# Altium PCB Fastino-DIOT.PCBDOC (part 17 of 22)
Units mm, origin at the board's own origin, x right, y up, seen from the top; angles counter-clockwise.
Board outline 222.63 x 100.1 mm, 8 copper layers (L1, L2, L3, P4, L5, L6, P7, L8), stack 1.563 mm thick; 1030 components, 787 nets, 3312 pads, 2498 vias.
Unrouted connection lines stored in the file: 424.
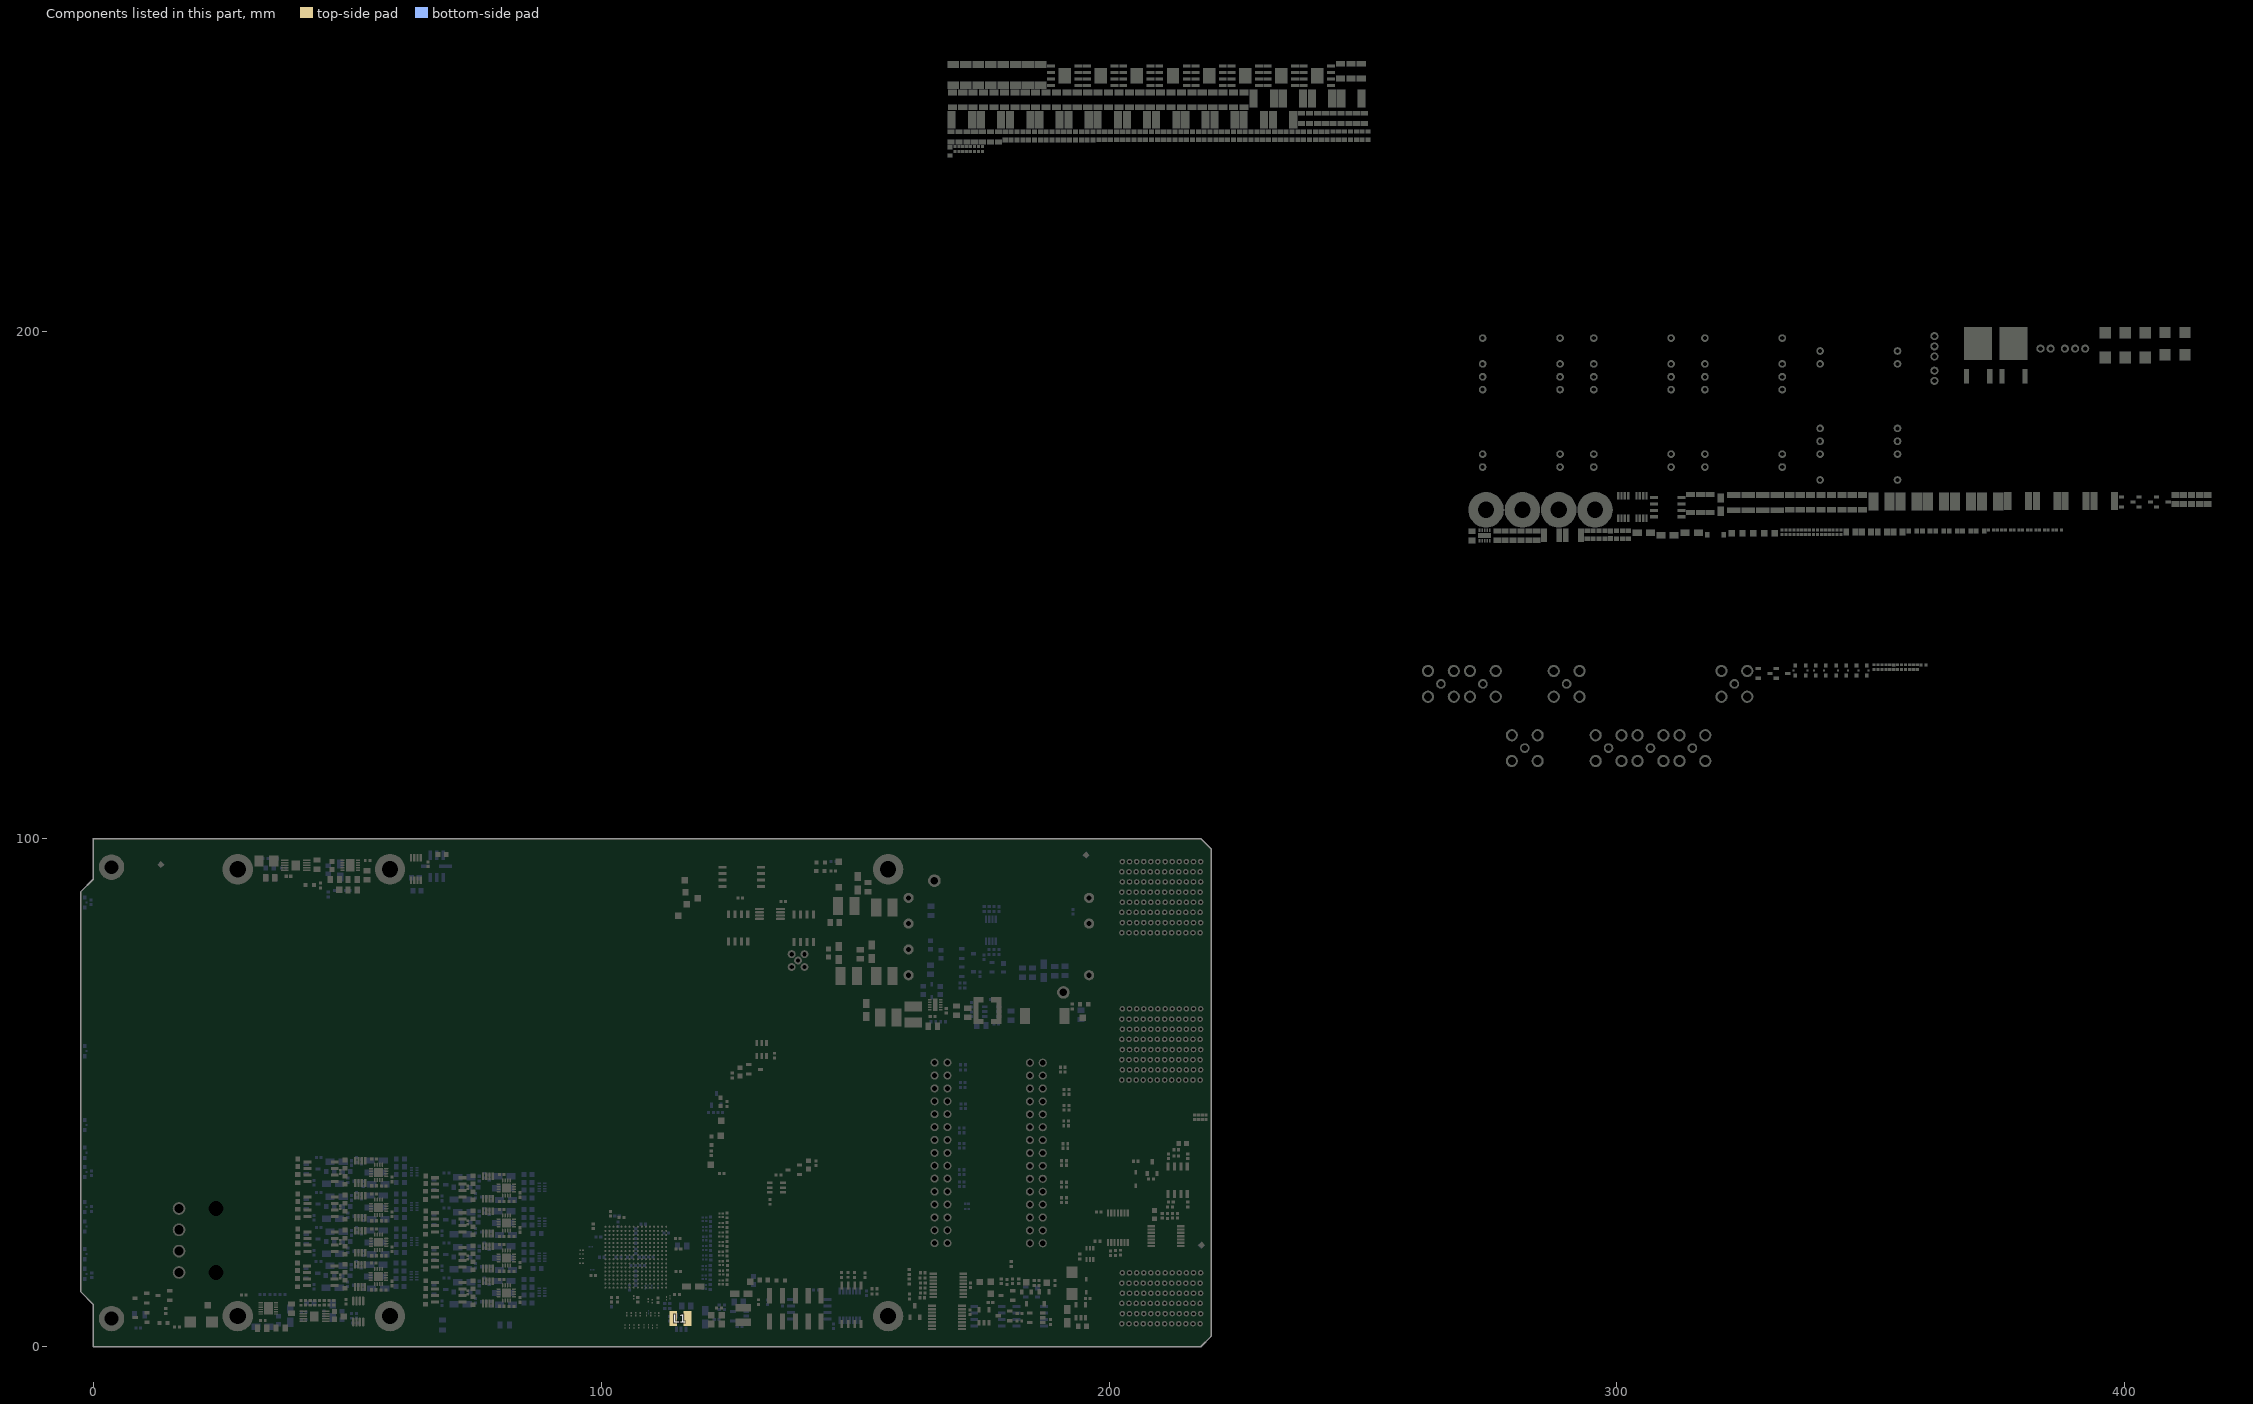
[diagram p23: the components of this part, seen from the top]

## Via types
v1: diameter 0.4, hole 0.2, L1 to L8, tented both sides, 1919 vias
v2: diameter 0.5, hole 0.2, L1 to L8, tented both sides, 270 vias
v3: diameter 0.4, hole 0.2, L1 to L8, 170 vias
v4: diameter 0.7, hole 0.4, L1 to L8, tented both sides, 110 vias
v5: diameter 0.7, hole 0.4, L1 to L8, 29 vias

## Nets (pads, with @x,y where several pads share a name; then routed paths per layer and width w, separated by ;. In a path a pad name is that pad's centre, name@x,y a point inside that pad or via, vN(x,y) a via of type N, cw(c..) or ccw(c..) an arc to the next point about the centre after c; other vN are vias at no path point) (continued)
copper on no net: (continued)
  L1 w0.254: v1(14.275,16.332) 14.291,16.316 15.584,16.316 15.6,16.3 ; v1(14.3,25.095) 14.303,25.098 15.598,25.098 15.6,25.1 ; v1(14.351,36.322) 14.362,36.311 15.589,36.311 15.6,36.3 ; v1(14.351,87.452) 14.391,87.452 14.42,87.482 15.582,87.482 15.6,87.5 ; v1(14.376,47.498) v1(14.376,47.498) 15.599,47.499 15.6,47.5 ; v1(14.402,76.302) 15.599,76.301 ; v1(14.427,85.065) 14.445,85.082 15.582,85.082 15.6,85.1 ; v1(14.478,56.261) 14.499,56.282 15.582,56.282 15.6,56.3 ; 15.6,33.9 15.608,33.892 16.857,33.892 v1(16.866,33.884) ; 15.6,42.7 15.611,42.711 16.727,42.711 v1(16.739,42.723) ; 15.6,45.1 16.323,45.1 16.84,45.617 v1(16.84,45.618) ; 15.6,53.9 16.299,53.9 16.485,53.714 16.485,53.604 v1(16.513,53.576) ; 15.6,58.7 16.341,58.7 16.723,58.318 v1(16.739,58.318) ; 15.6,62.7 15.606,62.706 16.808,62.706 v1(16.815,62.713) ; 15.6,65.1 16.325,65.1 v1(16.731,64.694) ; 15.6,67.5 15.606,67.494 16.834,67.494 v1(16.84,67.488) ; 15.6,73.9 15.618,73.918 16.678,73.918 16.724,73.965 v1(16.764,73.965) ; v1(16.891,25.451) 16.931,25.451 16.961,25.482 18.092,25.482 18.11,25.5 ; v1(16.942,56.718) 16.951,56.709 18.101,56.709 18.11,56.7 ; v1(16.942,76.683) 16.95,76.691 18.101,76.691 18.11,76.7 ; v1(16.967,83.109) 16.972,83.104 18.106,83.104 18.11,83.1 ; v1(16.967,87.859) 16.99,87.882 18.092,87.882 18.11,87.9 ; v1(16.993,47.6) 17.021,47.628 17.087,47.628 17.359,47.9 18.11,47.9 ; v1(16.993,85.471) 17.007,85.485 18.096,85.485 18.11,85.5 ; 18.11,16.7 18.128,16.718 19.309,16.718 v1(19.329,16.739) ; 18.11,34.3 18.128,34.318 19.231,34.318 v1(19.253,34.341) ; 18.11,36.7 18.128,36.718 19.28,36.718 19.315,36.754 v1(19.355,36.754) ; 18.11,45.5 18.835,45.5 19.273,45.062 19.403,45.062 v1(19.431,45.034) ; 18.11,54.3 18.113,54.303 19.301,54.303 v1(19.304,54.305) ; 18.11,65.5 18.861,65.5 19.119,65.758 19.251,65.758 v1(19.279,65.786) ; 18.11,67.9 18.126,67.884 19.314,67.884 v1(19.329,67.869) ; 18.11,74.3 18.12,74.31 19.268,74.31 v1(19.279,74.32) ; 20.619,92.55 20.944,92.55 21.392,92.102 21.392,86.85 22.23,86.012 22.23,85.946 ; 42.092,41.983 42.127,42.019 42.127,43.203 ; 42.118,48.916 42.153,48.952 42.153,50.135 ; 42.118,55.803 42.153,55.838 42.153,57.022 ; 42.118,62.689 42.153,62.725 42.153,63.796 42.153,63.908 ; 42.118,69.576 42.153,69.611 42.153,70.795 ; 42.118,76.462 42.153,76.498 42.153,77.682 ; 42.118,83.349 42.153,83.385 42.153,84.568 ; 42.197,40.716 42.197,41.986 ; 42.206,75.265 42.206,76.535 ; 42.223,47.649 42.223,48.919 ; 42.223,54.535 42.223,55.805 ; 42.223,61.422 42.223,62.692 ; 42.223,68.309 42.223,69.579 ; 42.223,82.082 42.223,83.352 ; v2(45.749,40.282) 46.402,39.629 46.465,39.566 47.024,39.566 47.07,39.52 ; v2(45.775,47.214) 46.428,46.562 46.491,46.498 47.05,46.498 47.096,46.452 ; v2(45.775,54.101) 46.428,53.448 46.491,53.385 47.05,53.385 47.096,53.339 ; v2(45.775,60.987) 46.428,60.335 46.491,60.271 47.05,60.271 47.096,60.225 ; v2(45.775,67.874) 46.428,67.221 46.491,67.158 47.05,67.158 47.096,67.112 ; v2(45.775,74.761) 46.428,74.108 46.491,74.045 47.05,74.045 47.096,73.999 ; v2(45.775,81.647) 46.428,80.995 46.491,80.931 47.05,80.931 47.096,80.885 ; 47.553,68.255 48.028,68.255 48.21,68.437 48.522,68.437 48.603,68.518 ; 47.553,69.525 48.028,69.525 48.252,69.301 48.505,69.301 48.603,69.203 48.603,69.178 ; 47.553,75.142 48.028,75.142 48.21,75.324 48.522,75.324 48.603,75.405 ; 47.553,76.412 48.028,76.412 48.252,76.188 48.505,76.188 48.603,76.09 48.603,76.065 ; 47.553,82.028 47.726,82.201 48.496,82.201 48.603,82.308 48.603,82.333 ; 47.553,83.298 47.726,83.125 48.496,83.125 48.603,83.018 48.603,82.993 ; 48.061,43.304 48.064,43.301 49.253,43.301 49.338,43.386 49.576,43.624 ; 48.087,50.237 48.09,50.233 49.279,50.233 49.364,50.319 49.602,50.556 ; 48.087,57.123 48.09,57.12 49.279,57.12 49.364,57.205 49.602,57.443 ; 48.087,64.01 48.09,64.006 49.279,64.006 49.364,64.092 49.602,64.329 ; 48.087,70.897 48.09,70.893 49.279,70.893 49.364,70.978 49.602,71.216 ; 48.087,77.783 48.09,77.78 49.279,77.78 49.364,77.865 49.602,78.103 ; 48.087,84.67 48.09,84.666 49.279,84.666 49.364,84.752 49.602,84.989 ; 49.576,38.849 49.626,38.849 50.614,39.837 50.798,39.837 51.54,40.579 v2@51.54,40.603 ; 49.576,40.449 49.576,41.721 49.635,41.78 ; 49.602,45.781 49.652,45.781 50.64,46.77 50.824,46.77 51.566,47.512 v2@51.566,47.535 ; 49.602,47.381 49.602,48.653 49.661,48.713 ; 49.602,52.668 49.652,52.668 50.64,53.656 50.824,53.656 51.566,54.398 v2@51.566,54.422 ; 49.602,54.268 49.602,55.54 49.661,55.599 ; 49.602,59.555 49.652,59.555 50.64,60.543 50.824,60.543 51.566,61.285 v2@51.566,61.309 ; 49.602,61.155 49.602,62.426 49.661,62.486 ; 49.602,66.441 49.652,66.441 50.64,67.43 50.824,67.43 51.566,68.172 v2@51.566,68.195 ; 49.602,68.041 49.602,69.313 49.661,69.373 ; 49.602,73.328 49.652,73.328 50.64,74.316 50.824,74.316 51.566,75.058 v2@51.566,75.082 ; 49.602,74.928 49.602,76.2 49.661,76.259 ; 49.602,80.214 49.652,80.214 50.64,81.203 50.824,81.203 51.566,81.945 v2@51.566,81.968 ; 49.602,81.814 49.602,83.086 49.661,83.146 ; v2(51.464,41.298) 51.531,41.298 51.712,41.116 51.724,41.116 51.893,40.946 52.379,40.946 53.41,39.915 53.41,39.204 53.508,39.106 ; v2(51.49,48.23) 51.557,48.23 51.739,48.048 51.75,48.048 51.92,47.879 52.405,47.879 53.436,46.847 53.436,46.136 53.534,46.038 ; v2(51.49,55.117) 51.557,55.117 51.739,54.935 51.75,54.935 51.92,54.765 52.405,54.765 53.436,53.734 53.436,53.023 53.534,52.925 ; v2(51.49,62.003) 51.557,62.003 51.739,61.822 51.75,61.822 51.92,61.652 52.405,61.652 53.436,60.62 53.436,59.909 53.534,59.811 ; v2(51.49,68.89) 51.557,68.89 51.739,68.708 51.75,68.708 51.92,68.538 52.405,68.538 53.436,67.507 53.436,66.796 53.534,66.698 ; v2(51.49,75.777) 51.557,75.777 51.739,75.595 51.75,75.595 51.92,75.425 52.405,75.425 53.436,74.394 53.436,73.683 53.534,73.585 ; v2(51.49,82.663) 51.557,82.663 51.739,82.481 51.75,82.481 51.92,82.312 52.405,82.312 53.436,81.28 53.436,80.569 53.534,80.471 ; v2(51.515,40.612) 51.581,40.612 51.59,40.603 51.988,40.205 52.442,40.205 52.76,39.888 52.76,39.671 52.861,39.57 ; 51.515,43.152 51.575,43.092 51.575,42.508 v1(51.591,42.491) ; v2(51.541,47.544) 51.608,47.544 51.617,47.535 52.014,47.138 52.469,47.138 52.786,46.82 52.786,46.604 52.887,46.503 ; 51.541,50.084 51.601,50.025 51.601,49.44 v1(51.617,49.424) ; v2(51.541,54.431) 51.608,54.431 51.617,54.422 52.014,54.025 52.469,54.025 52.786,53.707 52.786,53.491 52.887,53.39 ; 51.541,56.971 51.601,56.911 51.601,56.327 v1(51.617,56.311) ; v2(51.541,61.318) 51.608,61.318 51.617,61.309 52.014,60.911 52.469,60.911 52.786,60.594 52.786,60.377 52.887,60.276 ; 51.541,63.858 51.601,63.798 51.601,63.214 v1(51.617,63.197) ; v2(51.541,68.204) 51.608,68.204 51.617,68.195 52.014,67.798 52.469,67.798 52.786,67.48 52.786,67.264 52.887,67.163 ; 51.541,70.744 51.601,70.684 51.601,70.1 v1(51.617,70.084) ; v2(51.541,75.091) 51.608,75.091 51.617,75.082 52.014,74.684 52.469,74.684 52.786,74.367 52.786,74.15 52.887,74.049 ; 51.541,77.631 51.601,77.571 51.601,76.987 v1(51.617,76.97) ; v2(51.541,81.977) 51.608,81.977 51.617,81.968 52.014,81.571 52.469,81.571 52.786,81.253 52.786,81.037 52.887,80.936 ; 51.541,84.517 51.601,84.458 51.601,83.873 v1(51.617,83.857) ; 51.566,39.113 51.573,39.106 52.208,39.106 ; 51.592,46.046 51.599,46.038 52.234,46.038 ; 51.592,52.932 51.599,52.925 52.234,52.925 ; 51.592,59.819 51.599,59.811 52.234,59.811 ; 51.592,66.706 51.599,66.698 52.234,66.698 ; 51.592,73.592 51.599,73.585 52.234,73.585 ; 51.592,80.479 51.599,80.471 52.234,80.471 ; 51.81,8.989 51.81,7.759 51.841,7.728 v1@51.841,7.689 ; v1(53.039,41.323) 53.054,41.308 53.62,41.308 53.96,40.967 54.487,40.967 ; v1(53.065,48.256) 53.08,48.24 53.646,48.24 53.986,47.9 54.513,47.9 ; v1(53.065,55.142) 53.08,55.127 53.646,55.127 53.986,54.787 54.513,54.787 ; v1(53.065,62.029) 53.08,62.014 53.646,62.014 53.986,61.673 54.513,61.673 ; v1(53.065,68.915) 53.08,68.9 53.646,68.9 53.986,68.56 54.513,68.56 ; v1(53.065,75.802) 53.08,75.787 53.646,75.787 53.986,75.446 54.513,75.446 ; v1(53.065,82.689) 53.08,82.673 53.646,82.673 53.986,82.333 54.513,82.333 ; v1(53.471,42.136) 54.153,41.453 54.661,41.453 54.665,41.45 ; v1(53.497,49.068) 54.179,48.386 54.687,48.386 54.691,48.383 ; v1(53.497,55.955) 54.179,55.273 54.687,55.273 54.691,55.269 ; v1(53.497,62.842) 54.179,62.159 54.687,62.159 54.691,62.156 ; v1(53.497,69.728) 54.179,69.046 54.687,69.046 54.691,69.042 ; v1(53.497,76.615) 54.179,75.932 54.687,75.932 54.691,75.929 ; v1(53.497,83.501) 54.179,82.819 54.687,82.819 54.691,82.816 ; 55.909,39.695 55.909,40.645 56.159,40.895 ; 55.935,46.627 55.935,47.577 56.185,47.827 ; 55.935,53.514 55.935,54.464 56.185,54.714 ; 55.935,60.4 55.935,61.35 56.185,61.6 ; 55.935,67.287 55.935,68.237 56.185,68.487 ; 55.935,74.174 55.935,75.124 56.185,75.374 ; 55.935,81.06 55.935,82.01 56.185,82.26 ; 56.159,41.195 56.159,40.895 ; 56.185,48.127 56.185,47.827 ; 56.185,55.014 56.185,54.714 ; 56.185,61.9 56.185,61.6 ; 56.185,68.787 56.185,68.487 ; 56.185,75.674 56.185,75.374 ; 56.185,82.56 56.185,82.26 ; 56.409,39.695 56.409,40.447 56.161,40.695 56.159,40.695 56.159,40.895 ; 56.435,46.627 56.435,47.379 56.187,47.627 56.185,47.627 56.185,47.827 ; 56.435,53.514 56.435,54.266 56.187,54.514 56.185,54.514 56.185,54.714 ; 56.435,60.4 56.435,61.152 56.187,61.4 56.185,61.4 56.185,61.6 ; 56.435,67.287 56.435,68.039 56.187,68.287 56.185,68.287 56.185,68.487 ; 56.435,74.174 56.435,74.926 56.187,75.174 56.185,75.174 56.185,75.374 ; 56.435,81.06 56.435,81.812 56.187,82.06 56.185,82.06 56.185,82.26 ; 56.935,67.287 56.935,67.235 56.951,67.219 ; 56.935,74.174 56.935,74.121 56.951,74.105 ; 56.935,81.06 56.935,81.008 56.951,80.992 ; 56.951,67.341 56.951,67.219 ; 56.951,74.227 56.951,74.105 ; 56.951,81.114 56.951,80.992 ; v1(57.383,67.645) 58.644,67.645 ; v1(57.383,74.532) 58.644,74.532 ; v1(57.383,81.419) 58.644,81.419 ; 57.685,68.037 57.694,68.028 58.778,68.028 ; 57.685,74.924 57.694,74.915 58.778,74.915 ; 57.685,81.81 57.694,81.801 58.778,81.801 ; v1(58.695,45.705) 58.723,45.733 58.723,46.217 58.729,46.224 ; v1(58.695,52.592) 58.723,52.62 58.723,53.104 58.729,53.11 ; v1(58.695,59.478) 58.723,59.506 58.723,59.99 58.729,59.997 ; v1(58.695,66.365) 58.723,66.393 58.723,66.877 58.729,66.883 ; v1(58.695,73.251) 58.723,73.279 58.723,73.764 58.729,73.77 ; v1(58.695,80.138) 58.723,80.166 58.723,80.65 58.729,80.657 ; 58.703,39.291 58.697,39.285 58.697,38.975 58.832,38.84 v1(58.832,38.827) ; 58.882,67.925 58.882,67.883 58.847,67.849 58.644,67.645 ; 58.882,74.811 58.882,74.77 58.847,74.736 58.644,74.532 ; 58.882,81.698 58.882,81.656 58.847,81.622 58.644,81.419 ; 67.243,38.911 67.278,38.946 67.278,40.13 ; 67.243,45.797 67.278,45.833 67.278,47.016 ; 67.243,52.684 67.278,52.719 67.278,53.791 67.278,53.903 ; 67.243,59.57 67.278,59.606 67.278,60.79 ; 67.243,66.457 67.278,66.493 67.278,67.676 ; 67.242,73.326 67.278,73.362 67.278,74.545 ; 67.242,80.213 67.278,80.248 67.278,81.432 ; 67.278,51.362 67.278,52.632 ; 67.278,85.779 67.278,87.049 ; 67.278,87.135 67.278,88.319 ; 67.312,72.11 67.312,73.38 ; 67.329,79.013 67.329,80.283 ; 67.348,37.643 67.348,38.913 ; 67.348,44.53 67.348,45.8 ; 67.348,58.303 67.348,59.573 ; 67.348,65.31 67.348,66.58 ; v2(70.9,37.209) 71.553,36.556 71.616,36.493 72.175,36.493 72.221,36.447 ; v2(70.9,44.095) 71.553,43.443 71.616,43.379 72.175,43.379 72.221,43.333 ; v2(70.9,50.982) 71.553,50.33 71.616,50.266 72.175,50.266 72.221,50.22 ; v2(70.9,57.869) 71.553,57.216 71.616,57.153 72.175,57.153 72.221,57.107 ; v2(70.9,64.755) 71.553,64.103 71.616,64.039 72.175,64.039 72.221,63.993 ; v2(70.9,71.624) 71.553,70.972 71.616,70.908 72.175,70.908 72.221,70.862 ; v2(70.9,78.511) 71.553,77.859 71.616,77.795 72.175,77.795 72.221,77.749 ; v2(70.9,85.398) 71.553,84.745 71.616,84.682 72.175,84.682 72.221,84.636 ; 72.678,65.136 72.85,65.308 73.714,65.308 73.812,65.406 73.812,65.431 ; 72.678,66.406 72.851,66.233 73.622,66.233 73.641,66.214 73.714,66.214 73.812,66.116 73.812,66.091 ; 72.678,73.275 73.153,73.275 73.335,73.093 73.759,73.093 73.857,72.995 73.857,72.97 ; 72.678,78.892 72.851,79.065 73.621,79.065 73.728,79.172 73.728,79.197 ; 73.212,40.231 73.215,40.228 74.404,40.228 74.489,40.313 74.727,40.551 ; 73.212,47.118 73.215,47.115 74.404,47.115 74.489,47.2 74.727,47.438 ; 73.212,54.005 73.215,54.001 74.404,54.001 74.489,54.086 74.727,54.324 ; 73.212,60.891 73.215,60.888 74.404,60.888 74.489,60.973 74.727,61.211 ; 73.212,67.778 73.215,67.774 74.404,67.774 74.489,67.86 74.727,68.097 ; 73.211,74.647 73.215,74.644 74.404,74.644 74.489,74.729 74.727,74.967 ; 73.211,81.534 73.215,81.53 74.404,81.53 74.489,81.615 74.727,81.853 ; 73.215,88.417 73.215,88.303 73.326,88.192 74.129,88.192 74.439,88.502 74.489,88.502 74.727,88.74 ; 74.727,35.776 74.777,35.776 75.765,36.764 75.949,36.764 76.691,37.507 v2@76.691,37.53 ; 74.727,37.376 74.727,38.648 74.786,38.707 ; 74.727,42.663 74.777,42.663 75.765,43.651 75.949,43.651 76.691,44.393 v2@76.691,44.417 ; 74.727,44.263 74.727,45.534 74.786,45.594 ; 74.727,49.549 74.777,49.549 75.765,50.538 75.949,50.538 76.691,51.28 v2@76.691,51.303 ; 74.727,51.149 74.727,52.421 74.786,52.481 ; 74.727,56.436 74.777,56.436 75.765,57.424 75.949,57.424 76.691,58.166 v2@76.691,58.19 ; 74.727,58.036 74.727,59.308 74.786,59.367 ; 74.727,63.323 74.777,63.323 75.765,64.311 75.949,64.311 76.691,65.053 v2@76.691,65.076 ; 74.727,64.923 74.727,66.194 74.786,66.254 ; 74.727,70.192 74.777,70.192 75.765,71.18 75.949,71.18 76.691,71.922 v2@76.691,71.946 ; 74.727,71.792 74.727,73.063 74.786,73.123 ; 74.727,77.078 74.777,77.078 75.765,78.067 75.949,78.067 76.691,78.809 v2@76.691,78.832 ; 74.727,78.678 74.727,79.95 74.786,80.01 ; 74.727,83.965 74.777,83.965 75.765,84.953 75.949,84.953 76.691,85.695 v2@76.691,85.719 ; 74.727,85.565 74.727,86.837 74.786,86.896 ; v2(76.615,38.225) 76.682,38.225 76.864,38.043 76.875,38.043 77.045,37.873 77.53,37.873 78.561,36.842 78.561,36.131 78.659,36.033 ; v2(76.615,45.111) 76.682,45.111 76.864,44.93 76.875,44.93 77.045,44.76 77.53,44.76 78.561,43.729 78.561,43.018 78.659,42.92 ; v2(76.615,51.998) 76.682,51.998 76.864,51.816 76.875,51.816 77.045,51.646 77.53,51.646 78.561,50.615 78.561,49.904 78.659,49.806 ; v2(76.615,58.885) 76.682,58.885 76.864,58.703 76.875,58.703 77.045,58.533 77.53,58.533 78.561,57.502 78.561,56.791 78.659,56.693 ; v2(76.615,65.771) 76.682,65.771 76.864,65.589 76.875,65.589 77.045,65.42 77.53,65.42 78.561,64.388 78.561,63.677 78.659,63.579 ; v2(76.615,72.64) 76.682,72.64 76.863,72.459 76.875,72.459 77.044,72.289 77.53,72.289 78.561,71.257 78.561,70.547 78.659,70.449 ; v2(76.615,79.527) 76.682,79.527 76.863,79.345 76.875,79.345 77.044,79.175 77.53,79.175 78.561,78.144 78.561,77.433 78.659,77.335 ; v2(76.615,86.414) 76.682,86.414 76.863,86.232 76.875,86.232 77.044,86.062 77.53,86.062 78.561,85.031 78.561,84.32 78.659,84.222 ; v2(76.666,37.539) 76.733,37.539 76.742,37.53 77.139,37.133 77.594,37.133 77.911,36.815 77.911,36.599 78.012,36.498 ; 76.666,40.079 76.726,40.019 76.726,39.435 v1(76.742,39.419) ; v2(76.666,44.426) 76.733,44.426 76.742,44.417 77.139,44.019 77.594,44.019 77.911,43.702 77.911,43.485 78.012,43.384 ; 76.666,46.966 76.726,46.906 76.726,46.322 v1(76.742,46.305) ; v2(76.666,51.312) 76.733,51.312 76.742,51.303 77.139,50.906 77.594,50.906 77.911,50.588 77.911,50.372 78.012,50.271 ; 76.666,53.852 76.726,53.793 76.726,53.208 v1(76.742,53.192) ; v2(76.666,58.199) 76.733,58.199 76.742,58.19 77.139,57.793 77.594,57.793 77.911,57.475 77.911,57.258 78.012,57.157 ; 76.666,60.739 76.726,60.679 76.726,60.095 v1(76.742,60.078) ; v2(76.666,65.085) 76.733,65.085 76.742,65.076 77.139,64.679 77.594,64.679 77.911,64.362 77.911,64.145 78.012,64.044 ; 76.666,67.625 76.726,67.566 76.726,66.982 v1(76.742,66.965) ; v2(76.666,71.955) 76.732,71.955 76.741,71.946 77.139,71.548 77.593,71.548 77.911,71.231 77.911,71.014 78.012,70.913 ; 76.666,74.495 76.726,74.435 76.726,73.851 v1(76.742,73.834) ; v2(76.666,78.841) 76.732,78.841 76.741,78.832 77.139,78.435 77.593,78.435 77.911,78.117 77.911,77.901 78.012,77.8 ; 76.666,81.381 76.726,81.322 76.726,80.737 v1(76.742,80.721) ; v2(76.666,85.728) 76.732,85.728 76.741,85.719 77.139,85.322 77.593,85.322 77.911,85.004 77.911,84.787 78.012,84.686 ; 76.666,88.268 76.726,88.208 76.726,87.624 v1(76.742,87.607) ; 76.717,36.04 76.724,36.033 77.359,36.033 ; 76.717,42.927 76.724,42.92 77.359,42.92 ; 76.717,49.814 76.724,49.806 77.359,49.806 ; 76.717,56.7 76.724,56.693 77.359,56.693 ; 76.717,63.587 76.724,63.579 77.359,63.579 ; 76.717,70.456 76.724,70.449 77.359,70.449 ; 76.717,77.343 76.724,77.335 77.359,77.335 ; 76.717,84.229 76.724,84.222 77.359,84.222 ; v1(78.19,38.25) 78.205,38.235 78.771,38.235 79.111,37.895 79.638,37.895 ; v1(78.19,45.137) 78.205,45.122 78.771,45.122 79.111,44.781 79.638,44.781 ; v1(78.19,52.023) 78.205,52.008 78.771,52.008 79.111,51.668 79.638,51.668 ; v1(78.19,58.91) 78.205,58.895 78.771,58.895 79.111,58.554 79.638,58.554 ; v1(78.19,65.797) 78.205,65.781 78.771,65.781 79.111,65.441 79.638,65.441 ; v1(78.19,72.666) 78.205,72.651 78.771,72.651 79.111,72.31 79.638,72.31 ; v1(78.19,79.552) 78.205,79.537 78.771,79.537 79.111,79.197 79.638,79.197 ; v1(78.19,86.439) 78.205,86.424 78.771,86.424 79.111,86.083 79.638,86.083 ; v1(78.622,39.063) 79.304,38.381 79.812,38.381 79.816,38.377 ; v1(78.622,45.95) 79.304,45.267 79.812,45.267 79.816,45.264 ; v1(78.622,52.836) 79.304,52.154 79.812,52.154 79.816,52.15 ; v1(78.622,59.723) 79.304,59.04 79.812,59.04 79.816,59.037 ; v1(78.622,66.609) 79.304,65.927 79.812,65.927 79.816,65.924 ; v1(78.622,73.479) 79.304,72.796 79.812,72.796 79.815,72.793 ; v1(78.622,80.365) 79.304,79.683 79.812,79.683 79.815,79.679 ; v1(78.622,87.252) 79.304,86.569 79.812,86.569 79.815,86.566 ; 81.06,36.622 81.06,37.572 81.31,37.822 ; 81.06,43.508 81.06,44.458 81.31,44.708 ; 81.06,50.395 81.06,51.345 81.31,51.595 ; 81.06,57.282 81.06,58.232 81.31,58.482 ; 81.06,64.168 81.06,65.118 81.31,65.368 ; 81.06,71.037 81.06,71.987 81.31,72.237 ; 81.06,77.924 81.06,78.874 81.31,79.124 ; 81.06,84.811 81.06,85.761 81.31,86.011 ; 81.31,38.122 81.31,37.822 ; 81.31,45.008 81.31,44.708 ; 81.31,51.895 81.31,51.595 ; 81.31,58.782 81.31,58.482 ; 81.31,65.668 81.31,65.368 ; 81.31,72.537 81.31,72.237 ; 81.31,79.424 81.31,79.124 ; 81.31,86.311 81.31,86.011 ; 81.56,36.622 81.56,37.374 81.312,37.622 81.31,37.622 81.31,37.822 ; 81.56,43.508 81.56,44.26 81.312,44.508 81.31,44.508 81.31,44.708 ; 81.56,50.395 81.56,51.147 81.312,51.395 81.31,51.395 81.31,51.595 ; 81.56,57.282 81.56,58.034 81.312,58.282 81.31,58.282 81.31,58.482 ; 81.56,64.168 81.56,64.92 81.312,65.168 81.31,65.168 81.31,65.368 ; 81.56,71.037 81.56,71.789 81.312,72.037 81.31,72.037 81.31,72.237 ; 81.56,77.924 81.56,78.676 81.312,78.924 81.31,78.924 81.31,79.124 ; 81.56,84.811 81.56,85.563 81.312,85.811 81.31,85.811 81.31,86.011 ; 82.06,36.622 82.06,36.57 82.076,36.554 ; 82.06,43.508 82.06,43.456 82.076,43.44 ; 82.06,50.395 82.06,50.343 82.081,50.322 83.258,50.322 83.557,50.621 83.636,50.621 83.769,50.753 v1(82.508,50.753) ; 82.06,57.282 82.06,57.229 82.076,57.213 ; 82.06,64.168 82.06,64.116 82.076,64.1 ; 82.06,71.037 82.06,70.985 82.076,70.969 ; 82.06,77.924 82.06,77.872 82.076,77.856 ; 82.06,84.811 82.06,84.758 82.076,84.742 ; 82.076,36.675 82.076,36.554 ; 82.076,43.562 82.076,43.44 ; 82.076,57.335 82.076,57.213 ; 82.076,64.222 82.076,64.1 ; 82.076,71.091 82.076,70.969 ; 82.076,77.978 82.076,77.856 ; 82.076,84.864 82.076,84.742 ; v1(82.508,36.98) 83.769,36.98 ; v1(82.508,43.867) 83.769,43.867 ; v1(82.508,57.64) 83.769,57.64 ; v1(82.508,64.527) 83.769,64.527 ; v1(82.508,71.396) 83.769,71.396 ; v1(82.508,78.282) 83.769,78.282 ; v1(82.508,85.169) 83.769,85.169 ; 82.81,37.372 82.819,37.363 83.903,37.363 ; 82.81,44.258 82.819,44.25 83.903,44.25 ; 82.81,51.145 82.819,51.136 83.903,51.136 ; 82.81,58.032 82.819,58.023 83.903,58.023 ; 82.81,64.918 82.819,64.909 83.903,64.909 ; 82.81,71.787 82.819,71.779 83.903,71.779 ; 82.81,78.674 82.819,78.665 83.903,78.665 ; 82.81,85.561 82.819,85.552 83.903,85.552 ; 83.597,93.98 v1(84.297,93.98) ; v1(83.82,35.7) 83.848,35.728 83.848,36.212 83.854,36.218 ; v1(83.82,42.586) 83.848,42.614 83.848,43.099 83.854,43.105 ; v1(83.82,49.473) 83.848,49.501 83.848,49.985 83.854,49.991 ; v1(83.82,56.36) 83.848,56.387 83.848,56.872 83.854,56.878 ; v1(83.82,63.246) 83.848,63.274 83.848,63.758 83.854,63.765 ; v1(83.82,70.115) 83.848,70.143 83.848,70.628 83.854,70.634 ; v1(83.82,77.002) 83.848,77.03 83.848,77.514 83.854,77.52 ; v1(83.82,83.906) 83.848,83.934 83.848,84.401 83.854,84.407 ; 84.007,37.26 84.007,37.218 83.972,37.184 83.769,36.98 ; 84.007,44.146 84.007,44.105 83.972,44.071 83.769,43.867 ; 84.007,57.919 84.007,57.878 83.972,57.844 83.769,57.64 ; 84.007,64.806 84.007,64.765 83.972,64.73 83.769,64.527 ; 84.006,71.675 84.006,71.634 83.972,71.6 83.769,71.396 ; 84.006,78.562 84.006,78.52 83.972,78.486 83.769,78.282 ; 84.006,85.448 84.006,85.407 83.972,85.373 83.769,85.169 ; v1(85.758,93.269) 85.758,93.767 ; 85.758,95.717 85.781,95.74 87.039,95.74 87.108,95.809 v1(87.147,95.809) ; v1(88.608,95.167) 88.648,95.167 88.747,95.067 89.908,95.067 ; 91.428,96.387 91.512,96.303 92.022,96.303 v1(92.05,96.275) ; 93.118,33.55 93.153,33.586 93.153,34.658 ; 93.118,40.437 93.153,40.473 93.153,41.656 ; 93.118,47.324 93.153,47.359 93.153,48.543 ; 93.118,54.21 93.153,54.246 93.153,55.429 ; 93.118,61.097 93.153,61.132 93.153,62.316 ; 93.118,67.983 93.153,68.019 93.153,69.203 ; 93.118,74.87 93.153,74.906 93.153,76.089 ; 93.118,81.757 93.153,81.792 93.153,82.976 ; 93.118,88.643 93.153,88.679 93.153,89.862 ; 93.187,59.88 93.187,61.15 ; 93.187,87.427 93.187,88.697 ; 93.223,32.37 93.223,33.64 ; 93.223,39.17 93.223,40.44 ; 93.223,46.056 93.223,47.326 ; 93.223,53.029 93.223,54.299 ; 93.223,66.716 93.223,67.986 ; 93.223,73.603 93.223,74.873 ; 93.223,80.489 93.223,81.759 ; 94.145,93.904 95.023,93.904 95.056,93.937 95.631,93.937 ; v1(96.19,93.269) 100.597,93.269 101.01,93.682 101.01,94.192 100.788,94.414 100.054,94.414 100.031,94.437 ; v2(96.775,31.849) 97.428,31.196 97.491,31.133 98.05,31.133 98.096,31.087 ; v2(96.775,38.735) 97.428,38.083 97.491,38.019 98.05,38.019 98.096,37.973 ; v2(96.775,45.622) 97.428,44.969 97.491,44.906 98.05,44.906 98.096,44.86 ; v2(96.775,52.508) 97.428,51.856 97.491,51.792 98.05,51.792 98.096,51.746 ; v2(96.775,59.395) 97.428,58.742 97.491,58.679 98.05,58.679 98.096,58.633 ; v2(96.775,66.282) 97.428,65.629 97.491,65.566 98.05,65.566 98.096,65.52 ; v2(96.775,73.168) 97.428,72.516 97.491,72.452 98.05,72.452 98.096,72.406 ; v2(96.775,80.055) 97.428,79.402 97.491,79.339 98.05,79.339 98.096,79.293 ; v2(96.775,86.941) 97.428,86.289 97.491,86.225 98.05,86.225 98.096,86.179 ; 98.553,61.046 98.726,60.873 99.531,60.873 99.68,60.724 99.68,60.699 ; 98.553,67.933 99.028,67.933 99.257,67.704 99.45,67.704 99.548,67.606 99.548,67.581 ; 98.553,74.819 98.726,74.646 98.752,74.672 99.597,74.672 99.695,74.574 99.695,74.549 ; 98.553,88.592 99.028,88.592 99.257,88.364 99.449,88.364 99.547,88.266 99.547,88.241 ; 99.087,34.871 99.09,34.868 100.279,34.868 100.364,34.953 100.602,35.191 ; 99.087,41.758 99.09,41.754 100.279,41.754 100.364,41.84 100.602,42.077 ; 99.087,48.644 99.09,48.641 100.279,48.641 100.364,48.726 100.602,48.964 ; 99.087,55.531 99.09,55.528 100.279,55.528 100.364,55.613 100.602,55.851 ; 99.087,62.418 99.09,62.414 100.279,62.414 100.364,62.499 100.602,62.737 ; 99.087,69.304 99.09,69.301 100.279,69.301 100.364,69.386 100.602,69.624 ; 99.087,76.191 99.09,76.187 100.279,76.187 100.364,76.273 100.602,76.51 ; 99.087,83.077 99.09,83.074 100.279,83.074 100.364,83.159 100.602,83.397 ; 99.087,89.964 99.09,89.96 100.279,89.96 100.364,90.046 100.602,90.283 ; 100.602,30.416 100.652,30.416 101.64,31.404 101.824,31.404 102.566,32.146 v2@102.566,32.17 ; 100.602,32.016 100.602,33.288 100.661,33.347 ; 100.602,37.303 100.652,37.303 101.64,38.291 101.824,38.291 102.566,39.033 v2@102.566,39.056 ; 100.602,38.903 100.602,40.174 100.661,40.234 ; 100.602,44.189 100.652,44.189 101.64,45.177 101.824,45.177 102.566,45.92 v2@102.566,45.943 ; 100.602,45.789 100.602,47.061 100.661,47.12 ; 100.602,51.076 100.652,51.076 101.64,52.064 101.824,52.064 102.566,52.806 v2@102.566,52.83 ; 100.602,52.676 100.602,53.947 100.661,54.007 ; 100.602,57.962 100.652,57.962 101.64,58.951 101.824,58.951 102.566,59.693 v2@102.566,59.716 ; 100.602,59.562 100.602,60.834 100.661,60.894 ; 100.602,64.849 100.652,64.849 101.64,65.837 101.824,65.837 102.566,66.579 v2@102.566,66.603 ; 100.602,66.449 100.602,67.721 100.661,67.78 ; 100.602,71.735 100.652,71.735 101.64,72.724 101.824,72.724 102.566,73.466 v2@102.566,73.489 ; 100.602,73.335 100.602,74.607 100.661,74.667 ; 100.602,78.622 100.652,78.622 101.64,79.61 101.824,79.61 102.566,80.353 v2@102.566,80.376 ; 100.602,80.222 100.602,81.494 100.661,81.553 ; 100.602,85.509 100.652,85.509 101.64,86.497 101.824,86.497 102.566,87.239 v2@102.566,87.263 ; 100.602,87.109 100.602,88.38 100.661,88.44 ; v2(102.49,32.865) 102.557,32.865 102.739,32.683 102.75,32.683 102.92,32.513 103.405,32.513 104.436,31.482 104.436,30.771 104.534,30.673 ; v2(102.49,39.751) 102.557,39.751 102.739,39.569 102.75,39.569 102.92,39.4 103.405,39.4 104.436,38.368 104.436,37.657 104.534,37.559 ; v2(102.49,46.638) 102.557,46.638 102.739,46.456 102.75,46.456 102.92,46.286 103.405,46.286 104.436,45.255 104.436,44.544 104.534,44.446 ; v2(102.49,53.524) 102.557,53.524 102.739,53.343 102.75,53.343 102.92,53.173 103.405,53.173 104.436,52.141 104.436,51.431 104.534,51.333 ; v2(102.49,60.411) 102.557,60.411 102.739,60.229 102.75,60.229 102.92,60.059 103.405,60.059 104.436,59.028 104.436,58.317 104.534,58.219 ; v2(102.49,67.298) 102.557,67.298 102.739,67.116 102.75,67.116 102.92,66.946 103.405,66.946 104.436,65.915 104.436,65.204 104.534,65.106 ; v2(102.49,74.184) 102.557,74.184 102.739,74.002 102.75,74.002 102.92,73.833 103.405,73.833 104.436,72.801 104.436,72.09 104.534,71.992 ; v2(102.49,81.071) 102.557,81.071 102.739,80.889 102.75,80.889 102.92,80.719 103.405,80.719 104.436,79.688 104.436,78.977 104.534,78.879 ; v2(102.49,87.957) 102.557,87.957 102.739,87.776 102.75,87.776 102.92,87.606 103.405,87.606 104.436,86.574 104.436,85.863 104.534,85.765 ; v2(102.541,32.179) 102.608,32.179 102.617,32.17 103.014,31.773 103.469,31.773 103.786,31.455 103.786,31.238 103.887,31.137 ; 102.541,34.719 102.601,34.659 102.601,34.075 v1(102.617,34.058) ; v2(102.541,39.065) 102.608,39.065 102.617,39.056 103.014,38.659 103.469,38.659 103.786,38.342 103.786,38.125 103.887,38.024 ; 102.541,41.605 102.601,41.546 102.601,40.962 v1(102.617,40.945) ; v2(102.541,45.952) 102.608,45.952 102.617,45.943 103.014,45.546 103.469,45.546 103.786,45.228 103.786,45.012 103.887,44.911 ; 102.541,48.492 102.601,48.432 102.601,47.848 v1(102.617,47.832) ; v2(102.541,52.839) 102.608,52.839 102.617,52.83 103.014,52.432 103.469,52.432 103.786,52.115 103.786,51.898 103.887,51.797 ; 102.541,55.379 102.601,55.319 102.601,54.735 v1(102.617,54.718) ; v2(102.541,59.725) 102.608,59.725 102.617,59.716 103.014,59.319 103.469,59.319 103.786,59.001 103.786,58.785 103.887,58.684 ; 102.541,62.265 102.601,62.206 102.601,61.621 v1(102.617,61.605) ; v2(102.541,66.612) 102.608,66.612 102.617,66.603 103.014,66.205 103.469,66.205 103.786,65.888 103.786,65.671 103.887,65.57 ; 102.541,69.152 102.601,69.092 102.601,68.508 v1(102.617,68.491) ; v2(102.541,73.498) 102.608,73.498 102.617,73.489 103.014,73.092 103.469,73.092 103.786,72.775 103.786,72.558 103.887,72.457 ; 102.541,76.038 102.601,75.979 102.601,75.394 v1(102.617,75.378) ; v2(102.541,80.385) 102.608,80.385 102.617,80.376 103.014,79.979 103.469,79.979 103.786,79.661 103.786,79.445 103.887,79.344 ; 102.541,82.925 102.601,82.865 102.601,82.281 v1(102.617,82.265) ; v2(102.541,87.272) 102.608,87.272 102.617,87.263 103.014,86.865 103.469,86.865 103.786,86.548 103.786,86.331 103.887,86.23 ; 102.541,89.812 102.601,89.752 102.601,89.168 v1(102.617,89.151) ; 102.592,30.68 102.599,30.673 103.234,30.673 ; 102.592,37.567 102.599,37.559 103.234,37.559 ; 102.592,44.453 102.599,44.446 103.234,44.446 ; 102.592,51.34 102.599,51.333 103.234,51.333 ; 102.592,58.227 102.599,58.219 103.234,58.219 ; 102.592,65.113 102.599,65.106 103.234,65.106 ; 102.592,72 102.599,71.992 103.234,71.992 ; 102.592,78.886 102.599,78.879 103.234,78.879 ; 102.592,85.773 102.599,85.765 103.234,85.765 ; v1(104.065,32.89) 104.08,32.875 104.646,32.875 104.986,32.534 105.513,32.534 ; v1(104.065,39.777) 104.08,39.761 104.646,39.761 104.986,39.421 105.513,39.421 ; v1(104.065,46.663) 104.08,46.648 104.646,46.648 104.986,46.308 105.513,46.308 ; v1(104.065,53.55) 104.08,53.535 104.646,53.535 104.986,53.194 105.513,53.194 ; v1(104.065,60.436) 104.08,60.421 104.646,60.421 104.986,60.081 105.513,60.081 ; v1(104.065,67.323) 104.08,67.308 104.646,67.308 104.986,66.967 105.513,66.967 ; v1(104.065,74.21) 104.08,74.194 104.646,74.194 104.986,73.854 105.513,73.854 ; v1(104.065,81.096) 104.08,81.081 104.646,81.081 104.986,80.741 105.513,80.741 ; v1(104.065,87.983) 104.08,87.968 104.646,87.968 104.986,87.627 105.513,87.627 ; v1(104.497,33.703) 105.179,33.02 105.687,33.02 105.691,33.017 ; v1(104.497,40.589) 105.179,39.907 105.687,39.907 105.691,39.904 ; v1(104.497,47.476) 105.179,46.794 105.687,46.794 105.691,46.79 ; v1(104.497,54.363) 105.179,53.68 105.687,53.68 105.691,53.677 ; v1(104.497,61.249) 105.179,60.567 105.687,60.567 105.691,60.563 ; v1(104.497,68.136) 105.179,67.453 105.687,67.453 105.691,67.45 ; v1(104.497,75.022) 105.179,74.34 105.687,74.34 105.691,74.337 ; v1(104.497,81.909) 105.179,81.227 105.687,81.227 105.691,81.223 ; v1(104.497,88.796) 105.179,88.113 105.687,88.113 105.691,88.11 ; 106.935,31.262 106.935,32.212 107.185,32.462 ; 106.935,38.148 106.935,39.098 107.185,39.348 ; 106.935,45.035 106.935,45.985 107.185,46.235 ; 106.935,51.921 106.935,52.871 107.185,53.121 ; 106.935,58.808 106.935,59.758 107.185,60.008 ; 106.935,65.695 106.935,66.645 107.185,66.895 ; 106.935,72.581 106.935,73.531 107.185,73.781 ; 106.935,79.468 106.935,80.418 107.185,80.668 ; 106.935,86.354 106.935,87.304 107.185,87.554 ; 107.185,32.762 107.185,32.462 ; 107.185,39.648 107.185,39.348 ; 107.185,46.535 107.185,46.235 ; 107.185,53.421 107.185,53.121 ; 107.185,60.308 107.185,60.008 ; 107.185,67.195 107.185,66.895 ; 107.185,74.081 107.185,73.781 ; 107.185,80.968 107.185,80.668 ; 107.185,87.854 107.185,87.554 ; 107.435,31.262 107.435,32.014 107.187,32.262 107.185,32.262 107.185,32.462 ; 107.435,38.148 107.435,38.9 107.187,39.148 107.185,39.148 107.185,39.348 ; 107.435,45.035 107.435,45.787 107.187,46.035 107.185,46.035 107.185,46.235 ; 107.435,51.921 107.435,52.673 107.187,52.921 107.185,52.921 107.185,53.121 ; 107.435,58.808 107.435,59.56 107.187,59.808 107.185,59.808 107.185,60.008 ; 107.435,65.695 107.435,66.447 107.187,66.695 107.185,66.695 107.185,66.895 ; 107.435,72.581 107.435,73.333 107.187,73.581 107.185,73.581 107.185,73.781 ; 107.435,79.468 107.435,80.22 107.187,80.468 107.185,80.468 107.185,80.668 ; 107.435,86.354 107.435,87.106 107.187,87.354 107.185,87.354 107.185,87.554 ; 107.935,51.921 107.935,51.869 107.951,51.853 ; 107.935,58.808 107.935,58.756 107.951,58.74 ; 107.935,65.695 107.935,65.642 107.951,65.626 ; 107.935,86.354 107.935,86.302 107.951,86.286 ; 107.951,51.975 107.951,51.853 ; 107.951,58.862 107.951,58.74 ; 107.951,65.748 107.951,65.626 ; 107.951,72.635 107.951,72.513 107.956,72.508 109.133,72.508 109.432,72.807 109.511,72.807 109.644,72.94 ; 107.951,79.521 107.951,79.4 107.956,79.394 109.133,79.394 109.432,79.694 109.511,79.694 109.644,79.826 ; 107.951,86.408 107.951,86.286 ; v1(108.383,52.28) 109.644,52.28 ; v1(108.383,59.166) 109.644,59.166 ; v1(108.383,66.053) 109.644,66.053 ; v1(108.383,72.94) 109.644,72.94 ; v1(108.383,79.826) 109.644,79.826 ; v1(108.383,86.713) 109.644,86.713 ; 108.685,52.671 108.694,52.663 109.778,52.663 ; 108.685,59.558 108.694,59.549 109.778,59.549 ; 108.685,66.445 108.694,66.436 109.778,66.436 ; 108.685,73.331 108.694,73.322 109.778,73.322 ; 108.685,80.218 108.694,80.209 109.778,80.209 ; 108.685,87.104 108.694,87.096 109.778,87.096 ; v1@109.68,30.326 109.68,30.809 109.729,30.858 ; v1(109.695,37.226) 109.723,37.254 109.723,37.738 109.729,37.745 ; v1(109.695,44.113) 109.723,44.141 109.723,44.625 109.729,44.631 ; v1(109.695,50.999) 109.723,51.027 109.723,51.512 109.729,51.518 ; v1(109.695,57.886) 109.723,57.914 109.723,58.398 109.729,58.404 ; v1(109.695,64.772) 109.723,64.8 109.723,65.285 109.729,65.291 ; v1(109.695,71.659) 109.723,71.687 109.723,72.171 109.729,72.178 ; v1(109.695,78.546) 109.723,78.574 109.723,79.058 109.729,79.064 ; v1(109.695,85.432) 109.723,85.46 109.723,85.944 109.729,85.951 ; 109.847,73.143 109.644,72.94 ; 109.847,80.03 109.644,79.826 ; 109.882,52.559 109.882,52.518 109.847,52.484 109.644,52.28 ; 109.882,59.446 109.882,59.404 109.847,59.37 109.644,59.166 ; 109.882,66.332 109.882,66.291 109.847,66.257 109.644,66.053 ; 109.882,86.992 109.882,86.951 109.847,86.916 109.644,86.713 ; 56.951,67.219 56.956,67.214 58.133,67.214 58.432,67.513 58.511,67.513 58.644,67.645 ; 56.951,74.105 56.956,74.1 58.133,74.1 58.432,74.4 58.511,74.4 58.644,74.532 ; 56.951,80.992 56.956,80.987 58.133,80.987 58.432,81.286 58.511,81.286 58.644,81.419 ; 82.076,36.554 82.081,36.548 83.258,36.548 83.557,36.848 83.636,36.848 83.769,36.98 ; 82.076,43.44 82.081,43.435 83.258,43.435 83.557,43.735 83.636,43.735 83.769,43.867 ; 82.076,57.213 82.081,57.208 83.258,57.208 83.557,57.508 83.636,57.508 83.769,57.64 ; 82.076,64.1 82.081,64.095 83.258,64.095 83.557,64.394 83.636,64.394 83.769,64.527 ; 82.076,70.969 82.081,70.964 83.258,70.964 83.557,71.264 83.636,71.264 83.769,71.396 ; 82.076,77.856 82.081,77.851 83.258,77.851 83.557,78.15 83.636,78.15 83.769,78.282 ; 82.076,84.742 82.081,84.737 83.258,84.737 83.557,85.037 83.636,85.037 83.769,85.169 ; 107.951,51.853 107.956,51.848 109.133,51.848 109.432,52.148 109.511,52.148 109.644,52.28 ; 107.951,58.74 107.956,58.735 109.133,58.735 109.432,59.034 109.511,59.034 109.644,59.166 ; 107.951,65.626 107.956,65.621 109.133,65.621 109.432,65.921 109.511,65.921 109.644,66.053 ; 107.951,86.286 107.956,86.281 109.133,86.281 109.432,86.58 109.511,86.58 109.644,86.713
  L1 w0.381: 100.031,95.437 101.025,95.437 101.163,95.575 101.163,95.907 101.604,95.907 ; 100.031,95.937 100.525,95.937 100.633,96.045 v1(101.031,96.045) 104.457,96.045 107.297,96.045 108.294,96.045 109.902,96.045 110.23,95.717
  L1 w0.508: v1(52.426,10.109) 52.426,9.915 52.431,9.91 52.431,9.018 52.46,8.989 ; 75.681,5.819 75.701,5.819 75.737,5.855 75.737,6.099 76.803,7.165 78.239,7.165 78.546,6.858 83.718,6.858 85.217,8.357 85.217,43.434 84.557,44.094 84.099,44.094 ; 76.596,5.819 76.616,5.819 76.652,5.855 76.652,6.099 77.082,6.53 77.976,6.53 78.283,6.223 83.981,6.223 85.852,8.094 85.852,50.089 85.04,50.901 83.998,50.901 83.947,50.952 ; 77.51,5.819 77.741,5.588 84.244,5.588 86.487,7.831 86.487,57.023 85.649,57.861 84.125,57.861
  L1 w0.762: 23.032,92.55 23.032,87.684 24.77,85.946 ; v4(23.032,94.285) 23.032,95.45
  L3 w0.127: v1(2.746,80.086) 7.407,80.086 7.56,80.239 v1(12.167,80.239) ; v1(2.848,18.383) 2.9,18.435 3.17,18.435 4.724,19.99 8.009,19.99 8.101,19.898 8.67,19.898 8.762,19.99 9.331,19.99 9.359,19.962 9.565,19.962 v1(9.617,19.909) ; v1(4.048,40.056) 4.436,40.056 4.734,39.757 5.618,39.757 5.711,39.851 6.447,39.851 6.575,39.979 8.971,39.979 9.021,39.929 11.417,39.929 11.458,39.97 11.541,39.97 11.627,40.056 11.89,40.056 11.954,39.992 12.322,39.992 v1(12.344,39.97) ; v1(4.079,60.584) 4.109,60.554 8.185,60.554 8.223,60.516 8.223,60.417 8.452,60.189 8.629,60.189 8.713,60.272 8.983,60.272 9.127,60.417 9.776,60.417 10.03,60.163 v1(10.074,60.163) ; v1(5.096,25.273) 5.134,25.311 9.157,25.311 v1(9.195,25.349) ; v1(5.105,40.148) 5.517,40.148 5.681,40.312 5.897,40.312 6.061,40.148 6.385,40.148 6.597,40.361 11.214,40.361 v1(11.255,40.319) ; v1(5.834,60.138) 5.86,60.163 8.118,60.163 8.347,59.935 8.735,59.935 8.819,60.018 9.088,60.018 9.217,60.147 9.322,60.147 9.697,59.773 v1(11.312,59.773) ; v1(6.253,62.3) 6.654,62.3 6.707,62.248 6.888,62.248 7.17,61.967 8.891,61.967 8.958,61.9 10.465,61.9 v1(10.855,62.29) ; v1(115.815,33.876) 115.864,33.876 118.213,36.225 v1(118.262,36.225)
  L3 w0.152: v1(0.822,80.594) 1.327,81.099 6.21,81.099 6.712,80.597 7.58,80.597 7.605,80.572 7.939,80.572 7.965,80.597 11.611,80.597 v1(11.643,80.629) ; v1(2.35,79.578) 7.421,79.578 7.555,79.445 8.343,79.445 8.476,79.578 11.042,79.578 11.144,79.477 v1(11.643,79.477) ; v1(2.746,60.782) 3.621,60.782 3.795,60.957 3.881,60.957 3.912,60.987 5.468,60.987 5.51,60.946 7.067,60.946 7.187,61.066 7.673,61.066 7.82,60.919 8.234,60.919 8.381,61.066 8.988,61.066 9.11,60.944 v1(10.074,60.944) ; v1(3.553,60.006) 3.651,60.006 3.795,60.15 4.129,60.15 5.018,59.261 8.813,59.261 8.85,59.225 9.184,59.225 9.341,59.382 v1(10.074,59.382) ; v1(4.048,40.98) 4.067,40.961 4.315,40.961 4.391,40.884 5.999,40.884 6.056,40.942 6.39,40.942 6.447,40.884 10.209,40.884 10.298,40.796 10.632,40.796 10.721,40.884 11.457,40.884 11.585,40.757 11.915,40.757 v1(11.962,40.709) ; v1(4.08,82.321) 4.094,82.307 11.975,82.307 v1(11.989,82.293) ; v1(5.886,39.367) 5.953,39.367 6.17,39.584 7.283,39.584 7.287,39.588 v1(7.788,39.588)
  L3 w0.508: v1(75.108,6.528) 75.717,6.528 79.705,10.516 80.762,10.516 81.379,11.133 81.379,35.939 v1@82.423,36.982 ; v1(103.073,92.888) 103.091,92.906 103.627,92.906 104.032,92.501 104.947,92.501 105.181,92.735 105.274,92.735 105.655,93.116 110.211,93.116 111.684,91.643 111.684,81.534 109.83,79.68 108.534,79.68 v1@108.356,79.858
  L3 w0.762: 24.77,44.946 27.627,47.803 35.763,47.803 ; 24.77,85.946 27.78,85.946 30.15,88.316 35.408,88.316 36.532,87.191 36.532,85.719 37.29,84.961 37.29,84.924 39.224,82.99 39.224,51.263 35.763,47.803 ; 36.532,44.946 36.532,47.034 35.763,47.803
  L2 w0.127: v1(2.746,34.646) 2.753,34.639 2.753,26.831 2.458,26.536 2.458,18.774 v1(2.848,18.383) ; v1(2.746,47.041) 2.772,47.067 2.772,60.256 3.137,60.62 3.137,79.696 v1(2.746,80.086) ; v1(2.848,17.856) 2.873,17.856 3.416,18.399 3.416,35.23 3.378,35.268 3.378,46.725 3.451,46.799 3.451,54.459 3.943,54.951 3.943,60.167 3.553,60.558 v1(3.553,77.503) ; v1(4.048,40.056) 4.1,40.004 4.1,39.807 4.121,39.787 4.121,34.983 4.258,34.846 v1(4.258,34.773) ; v1(4.048,46.99) 4.048,48.465 3.705,48.808 3.705,54.354 4.197,54.846 4.197,60.392 4.079,60.51 v1(4.079,60.584) ; v1(4.166,87.579) 4.505,87.24 4.505,77.311 4.47,77.276 4.47,75.327 3.959,74.816 3.959,65.042 4.469,64.532 4.469,54.758 3.959,54.249 3.959,48.913 4.439,48.434 4.439,37.301 4.648,37.092 4.648,33.099 5.441,32.307 5.441,25.618 v1(5.096,25.273) ; v1(4.861,77.114) 4.861,72.886 5.441,72.307 5.441,66.628 5.344,66.532 5.344,57.333 5.441,57.236 5.441,48.037 4.715,47.311 4.715,37.384 4.902,37.197 4.902,33.204 5.695,32.412 5.695,24.948 v1(5.004,24.257) ; v1(5.105,40.148) 5.105,46.311 v1(5.886,47.092) ; v1(5.834,60.138) 6.277,59.696 6.277,46.93 5.833,46.486 5.833,39.973 6.277,39.529 6.277,35.131 v1(5.994,34.849) ; v1(6.223,40.538) 6.223,46.517 6.531,46.825 6.531,59.994 5.862,60.662 5.862,65.945 6.262,66.345 v1(6.262,66.37) ; v1(6.253,61.349) 6.906,62.003 6.906,82.725 v1(7.417,83.236) ; v1(6.253,62.3) 6.652,62.7 6.652,74.962 v1(6.253,75.362) ; v1(7.788,35.56) 7.397,35.95 7.397,61.775 7.738,62.116 7.738,62.519 8.042,62.823 8.042,68.767 7.712,69.096 7.712,75.574 8.176,76.038 v1(8.176,79.848) ; v1(8.067,46.279) 8.432,45.914 8.432,20.576 8.296,20.44 v1(8.296,20.366) ; v1(10.074,41.596) 10.074,47.243 9.004,48.313 9.004,59.063 9.684,59.743 9.684,61.106 10.074,61.496 v1(10.074,62.29) ; v1(10.287,63.5) 10.287,63.426 10.465,63.248 10.465,56.437 9.258,55.23 9.258,48.419 10.465,47.212 v1(10.465,41.199) ; v1(10.643,87.3) 10.643,85.058 10.804,84.896 10.804,74.159 11.957,73.006 11.957,58.633 12.116,58.474 v1(12.116,41.885) ; v1(10.922,63.246) 10.922,62.776 11.246,62.452 11.246,60.258 10.922,59.934 10.922,54.385 11.582,53.724 11.582,48.175 10.865,47.457 10.865,38.461 11.608,37.718 11.608,28.722 11.489,28.445 11.489,28.326 11.074,27.911 v1(11.074,21.488) ; v1(11.252,86.868) 11.252,74.07 12.211,73.112 12.211,58.738 12.506,58.442 v1(12.506,42.393) ; v1(11.497,62.754) 11.5,62.75 11.5,60.138 11.703,59.934 11.703,55.338 11.836,55.205 11.836,48.008 11.572,47.744 11.572,40.548 11.703,40.417 11.862,37.919 11.862,28.617 v1(11.557,21.107) ; v1(19.482,76.454) 19.482,76.38 19.602,76.26 19.602,74.55 19.669,74.482 19.669,74.159 19.602,74.091 19.602,71.468 21.683,69.386 22.481,69.386 23.299,68.568 23.299,67.45 23.192,67.343 23.192,67.006 23.349,66.85 23.349,66.745 22.23,65.626 ; v1(20.001,76.364) 20.001,76.29 19.881,76.17 19.881,74.629 19.923,74.587 19.923,74.053 19.881,74.011 19.881,71.584 21.799,69.666 22.597,69.666 23.579,68.684 23.579,67.334 23.472,67.227 23.472,67.122 23.546,67.048 23.651,67.048 24.77,68.166 ; 32.796,74.292 32.946,74.292 33.992,73.246 ; 32.796,74.597 32.809,74.584 35.331,74.584 36.532,75.786 ; 33.992,70.706 35.048,70.706 35.123,70.632 35.123,70.249 35.986,69.386 41.536,69.386 43.451,67.471 44.961,67.471 46.232,66.2 50.959,66.2 51.264,65.896 55.665,65.896 56.29,66.521 57.891,66.521 58.345,66.975 62.794,66.975 67.759,62.01 77.645,62.01 78.373,62.738 83.381,62.738 83.543,62.576 91.476,62.576 93.717,60.335 95.778,60.335 95.956,60.157 v2(96.039,60.157) ; 33.992,78.326 35.048,78.326 35.123,78.252 35.123,77.869 35.986,77.006 38.364,77.006 43.362,72.009 50.409,72.009 51.198,71.221 56.442,71.221 57.637,72.415 58.735,72.415 63.078,68.072 65.732,68.072 68.109,65.695 69.903,65.695 70.081,65.517 v2(70.164,65.517) ; 35.092,66.725 35.15,66.667 35.153,66.667 35.16,66.659 35.186,66.659 35.43,66.415 35.783,66.415 36.034,66.667 37.714,66.667 39.33,65.05 48.785,65.05 49.364,64.471 56.468,64.471 57.563,65.566 59.555,65.566 66.7,58.42 68.936,58.42 70.441,56.914 71.263,56.914 71.78,57.432 71.78,58.296 70.988,59.088 70.425,59.088 70.247,59.266 v2(70.164,59.266) ; 35.302,66.946 35.553,66.695 35.667,66.695 35.919,66.946 37.83,66.946 39.446,65.329 48.901,65.329 49.48,64.75 56.353,64.75 57.448,65.845 59.671,65.845 66.816,58.699 69.051,58.699 70.557,57.194 71.147,57.194 71.501,57.547 71.501,58.18 70.873,58.808 70.425,58.808 70.247,58.631 v2(70.164,58.631) ; 36.532,70.706 35.477,70.706 35.402,70.632 35.402,70.365 36.101,69.666 41.651,69.666 43.567,67.75 45.077,67.75 46.347,66.479 51.075,66.479 51.379,66.175 55.55,66.175 56.175,66.8 57.775,66.8 58.229,67.254 62.909,67.254 67.874,62.289 77.529,62.289 78.257,63.017 83.496,63.017 83.658,62.856 91.592,62.856 93.833,60.614 95.778,60.614 95.956,60.792 v2(96.039,60.792) ; 36.532,78.326 35.477,78.326 35.402,78.252 35.402,77.985 36.101,77.286 38.48,77.286 43.477,72.288 50.525,72.288 51.313,71.5 56.326,71.5 57.521,72.695 58.85,72.695 63.194,68.351 65.848,68.351 68.225,65.974 69.903,65.974 70.081,66.152 v2(70.164,66.152) ; 37.541,28.445 37.554,28.458 37.554,29.256 37.573,29.275 37.573,32.375 39.297,34.099 39.297,34.117 ; 37.846,28.445 37.833,28.458 37.833,29.14 37.852,29.159 37.852,32.259 39.576,33.983 39.594,33.983 ; v1(105.223,26.161) 105.297,26.161 105.445,26.31 105.487,26.31 106.669,27.491 108.227,27.491 108.447,27.711 111.693,27.711 111.82,27.838 112.033,28.052 112.355,28.052 112.904,27.503 v1(112.94,27.503) ; v1(105.23,25.126) 107.341,27.237 108.332,27.237 108.552,27.457 111.917,27.457 112.085,27.626 v1(112.159,27.626) ; v1(114.436,31.189) 114.436,31.115 114.275,30.953 114.275,29.751 114.592,29.433 114.592,28.058 115.456,27.195 v1(115.456,27.176) ; v1(114.906,27.001) 114.906,27.019 114.338,27.586 114.338,29.328 114.021,29.645 114.021,31.325 114.834,32.139 115.037,32.139 115.069,32.107 115.159,32.107 115.431,31.834 v1(115.439,31.834) ; v1(116.781,27.801) 116.781,29.202 116.965,29.386 116.965,30.773 116.535,31.204 116.535,31.724 v1(116.89,32.08) ; v1(117.75,38.35) 117.788,38.388 119.212,38.388 v1(119.25,38.425)